# Altium PCB FPGA_SHIELD_MARK1.PcbDoc (continued)
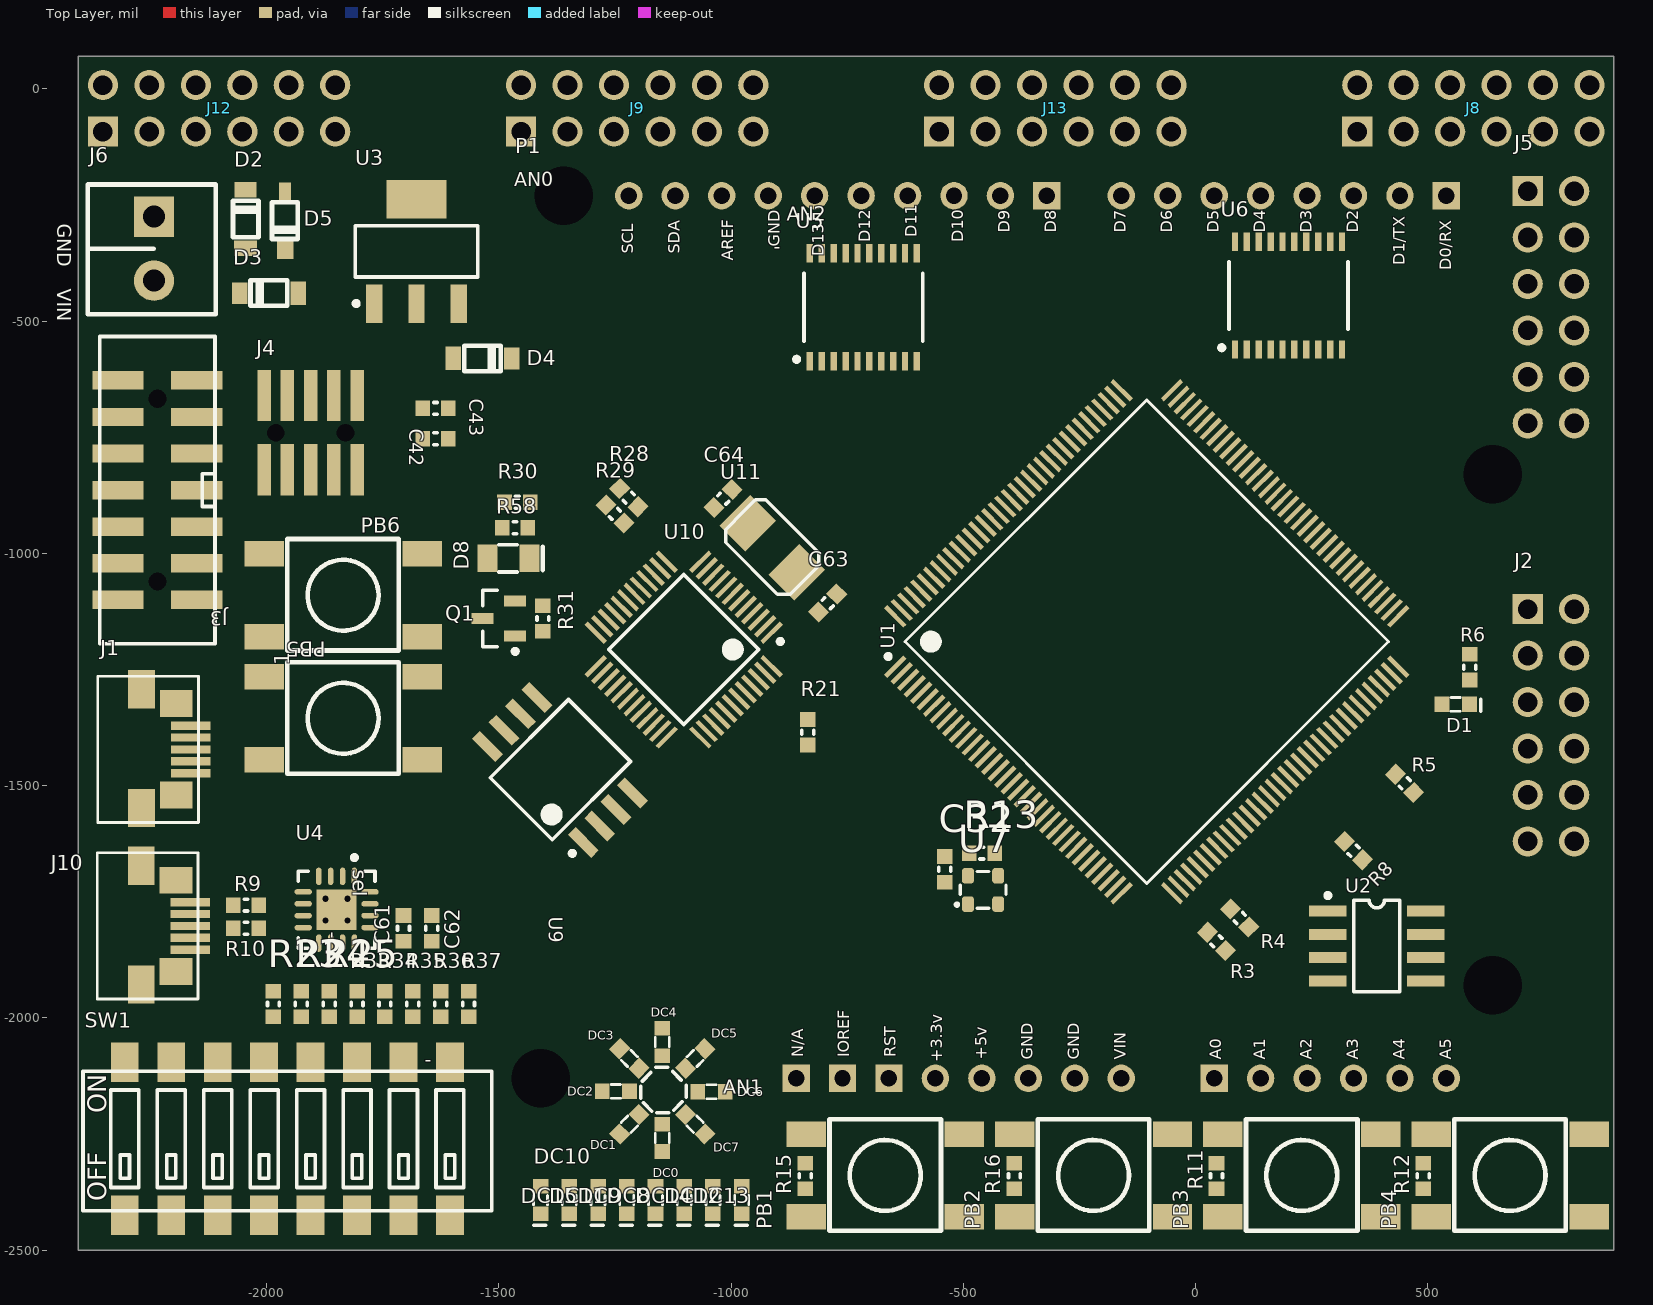
[diagram p0: Top Layer view]
## Footprints (in the part's own frame and the unit in brackets; to place one, negate y for a bottom-side part, rotate by r counter-clockwise, add the part's x,y. Pads: shape width x height; smd on the part's side, far side on the other; paste and mask are expansions set on the pad) (continued)
  silkscreen extent -10.7,-9.35 9.35,9.55, body extent -11.01,-11.01 11.02,11.02, height 1.6
TSQFP50P900X900X145-48L [mm] "TSQFP, 48-Leads, Body 9.1x9.1mm (max), Pitch 0.50mm, IPC High Density"
  rect 1.5x0.25 smd: 1(-4.05,2.75) 2(-4.05,2.25) 3(-4.05,1.75) 4(-4.05,1.25) 5(-4.05,0.75) 6(-4.05,0.25) 7(-4.05,-0.25) 8(-4.05,-0.75) 9(-4.05,-1.25) 10(-4.05,-1.75) 11(-4.05,-2.25) 12(-4.05,-2.75) 25(4.05,-2.75) 26(4.05,-2.25) 27(4.05,-1.75) 28(4.05,-1.25) 29(4.05,-0.75) 30(4.05,-0.25) 31(4.05,0.25) 32(4.05,0.75) 33(4.05,1.25) 34(4.05,1.75) 35(4.05,2.25) 36(4.05,2.75)
  rect 0.25x1.5 smd: 13(-2.75,-4.05) 14(-2.25,-4.05) 15(-1.75,-4.05) 16(-1.25,-4.05) 17(-0.75,-4.05) 18(-0.25,-4.05) 19(0.25,-4.05) 20(0.75,-4.05) 21(1.25,-4.05) 22(1.75,-4.05) 23(2.25,-4.05) 24(2.75,-4.05) 37(2.75,4.05) 38(2.25,4.05) 39(1.75,4.05) 40(1.25,4.05) 41(0.75,4.05) 42(0.25,4.05) 43(-0.25,4.05) 44(-0.75,4.05) 45(-1.25,4.05) 46(-1.75,4.05) 47(-2.25,4.05) 48(-2.75,4.05)
  silkscreen extent -4.17,-2.9 2.9,3.55, body extent -4.5,-4.5 4.5,4.5, height 1.4
TSSOP20 [mm] "TSSOP20"
  rect 1x0.35 smd: 1(-2.95,2.925) 2(-2.95,2.275) 3(-2.95,1.625) 4(-2.95,0.975) 5(-2.95,0.325) 6(-2.95,-0.325) 7(-2.95,-0.975) 8(-2.95,-1.625) 9(-2.95,-2.275) 10(-2.95,-2.925) 11(2.95,-2.925) 12(2.95,-2.275) 13(2.95,-1.625) 14(2.95,-0.975) 15(2.95,-0.325) 16(2.95,0.325) 17(2.95,0.975) 18(2.95,1.625) 19(2.95,2.275) 20(2.95,2.925)
  silkscreen extent -2.97,-3.25 1.85,3.77, body extent -3.14,-3.35 3.14,3.25, height 1.04

## Part data
C1 C2 C3 C4 C5 C6 C7 C8 C9 C10 C15 C16 C17 C18 C36 C42: library part GRM188R60J475KE19D, "CAP CER 4.7UF 6.3V X5R 0603"
C11 C12 C13 C14 C19 C20 C21 C22 C23 C24 C25 C26: library part GCM188R71E474KA64D, "CAP CER .47UF 25V X7R 0603"
C27 C28 C29 C30 C31 C32 C39 C43 C44 C61 C62: library part GRM188R71H104KA93D, "CAP CER .1UF 50V 10% X7R 0603"
C63 C64: library part GRM1885C1H180JA01D, "CAP CER 18PF 50V 5% C0G 0603"
D1: "LED 1.6X0.8MM 570NM GRN CLR SMD"
D2 D3 D4 D5: "DIODE SCHOTTKY 25V 1A SOD123"
D8: library part APL3015SGC-F01
DC0 DC1 DC2 DC3 DC4 DC5 DC6 DC7 DC8 DC9 DC10 DC11 DC12 DC13 DC14 DC15: library part APT1608CGCK
J1 J10: "CONN RCPT 5POS MICRO USB R/A"
J2 J5 J8 J9 J12 J13: library part P-MOD, "SAMTEC - SSQ-106-02-G-D-RA-005 - 2MM SOCKET STRIPS"
J3: library part XILINX_JTAG, "CONN HEADER 14POS 2MM VERT SMD"
J4: library part "Cortex SWD  Connector", "Cortex SWD Connector"
J6: "TERM BLOCK 2POS SIDE ENT 3.5MM"
P1: library part "Arduino Shield", "Arduino Duem Header"
PB1 PB2 PB3 PB4 PB5 PB6: library part FSM4JSMATR, "SWITCH TACTILE SPST-NO 0.05A 12V"
Q1: "MOSFET P-CH 30V 900MA SSOT3"
R1 R2 R3 R4 R5 R7 R8 R11 R12 R15 R16 R21 R23 R24 R25 R26 R27 R31 R33 R34 R35 R36 R37: library part ERJ-3EKF1002V, "RES 10.0K OHM 1/10W 1% 0603 SMD"
R6 R17 R18 R32 R43 R44 R45 R46 R47 R48 R49 R50 R51 R52 R53 R54 R57 R58: library part ERJ-3EKF2000V, "RES 200 OHM 1/10W 1% 0603 SMD"
R9 R10 R28 R29: library part ERJ-3EKF33R0V, "RES 33.0 OHM 1/10W 1% 0603 SMD"
R13: library part ERJ-3GEY0R00V, "RES ZERO OHM 1/10W 5% 0603 SMD"
R30: library part ERJ-3EKF1501V, "RES 1.50K OHM 1/10W 1% 0603 SMD"
SW1: "SWITCH DIP SPST EXT ACT 8POS SMD"
U1: "IC FPAG SPARTAN 6 9K 144TQFP"
U2: "IC FLASH 4MBIT 75MHZ 8SOIC"
U3: library part LD1117S33CTR, "IC REG LDO 3.3V 950MA SOT-223"
U4: library part FT230XQ-R, "IC USB SERIAL BASIC UART QFN-16"
U5 U6: "IC 8-BIT TRNSTR 15KV ESD 20TSSOP"
U7: library part "OSC - ASDMB-50.000MHZ-LC-T", "OSC MEMS 50.000 MHZ SMD"
U8: "IC LDO REG 1A 1.2V SOT223-3"
U9: library part M25PE16-VMW6TG, "IC FLASH 16MBIT 75MHZ 8SOIC"
U10: "IC MCU 32BIT 32KB FLASH 48LQFP"
U11: library part ABM3-12.000MHZ-B2-T, "CRYSTAL 12.000MHZ 18PF SMD"

## Via types
v1: diameter 25.98, hole 12.99, Top Layer to Bottom Layer, tented top, 4 vias

## Nets (pads, with @x,y where several pads share a name; then routed paths per layer and width w, separated by ;. In a path a pad name is that pad's centre, name@x,y a point inside that pad or via, vN(x,y) a via of type N, cw(c..) or ccw(c..) an arc to the next point about the centre after c; other vN are vias at no path point)
1V2: C1.2 C2.2 C3.2 C11.2 C12.2 C36.2 U1.19 U1.28 U1.52 U1.89 U1.128 U8.3
3V3: C4.2 C5.2 C6.2 C7.2 C8.2 C9.2 C10.2 C13.2 C14.2 C15.2 C16.2 C17.2 C18.2 C19.2 C20.2 C21.2 C22.2 C23.2 C24.2 C25.2 C26.2 C27.1 C28.2 C32.2 C42.2 C44.2 J2.6 J2.12 J3.2 J5.6 J5.12 P1.A2 P1.D8 PB6.A R1.2 R3.2 R4.2 R5.2 R11.2 R12.2 R13.2 R15.2 R16.2 SW1.B1 SW1.B2 SW1.B3 SW1.B4 SW1.B5 SW1.B6 SW1.B7 SW1.B8 U1.4 U1.18 U1.20 U1.31 U1.36 U1.42 U1.53 U1.63 U1.76 U1.86 U1.90 U1.103 U1.122 U1.125 U1.129 U1.135 U2.3 U2.7 U2.8 U3.2 U3.4 U5.2 U5.10 U6.2 U6.10 U7.4 U8.1
5V: P1.A3
+3.3V: C30.2 C31.2 C39.2 J4.1 Q1.2 R21.1 R31.2 U9.3 U9.7 U9.8 U10.8 U10.44
+5V_USB: D3.2 J1.1 R27.2 U10.14
+5V_USB_FTDI: C62.2 D5.2 J10.1 U4.10
ADD/D\A\T\A\: U1.40 U10.25
C0: R17.2
C1: R18.2
C2: R32.2
C3: R43.2
C4: R44.2
C5: R45.2
C6: R46.2
C7: R57.2
DIP_SW0: R23.2 SW1.A1 U1.119
DIP_SW1: R24.2 SW1.A2 U1.118
DIP_SW2: R25.2 SW1.A3 U1.117
DIP_SW3: R33.2 SW1.A4 U1.116
DIP_SW4: R34.2 SW1.A5 U1.115
DIP_SW5: R35.2 SW1.A6 U1.114
DIP_SW6: R36.2 SW1.A7 U1.112
DIP_SW7: R37.2 SW1.A8 U1.111
FPGA_CLK: PB6.B R26.2 U1.56 U10.4
FPGA_MODE0: R5.1 U1.69
FPGA_MODE1: R8.2 U1.60
FPGA_SLAVE_CFG_CCLK: R2.1 R7.2 U1.70 U2.6
FPGA_SLAVE_CFG_DIN: U1.65 U2.2
FPGA_SUSPEND: U1.73
FPGA_URX: U4.2
FPGA_UTX: U4.15
GND: C1.1 C2.1 C3.1 C4.1 C5.1 C6.1 C7.1 C8.1 C9.1 C10.1 C11.1 C12.1 C13.1 C14.1 C15.1 C16.1 C17.1 C18.1 C19.1 C20.1 C21.1 C22.1 C23.1 C24.1 C25.1 C26.1 C27.2 C29.1 C30.1 C31.1 C32.1 C36.1 C39.1 C42.1 C43.1 C44.1 C61.1 C62.1 C63.1 C64.1 DC0.C DC1.C DC2.C DC3.C DC4.C DC5.C DC6.C DC7.C DC8.C DC9.C DC10.C DC11.C DC12.C DC13.C DC14.C DC15.C J1.5 J2.5 J2.11 J3.1 J3.3 J3.5 J3.7 J3.9 J3.11 J3.13 J4.3 J4.5 J4.9 J5.5 J5.11 J6.1 J10.5 P1.A4 P1.A5 P1.D7 PB1.A PB2.A PB3.A PB4.A PB5.A R6.2 R8.1 R23.1 R24.1 R25.1 R26.1 R27.1 R33.1 R34.1 R35.1 R36.1 R37.1 R58.1 U1.3 U1.13 U1.25 U1.49 U1.54 U1.68 U1.77 U1.91 U1.96 U1.108 U1.113 U1.130 U1.136 U2.4 U3.1 U4.3 U4.13 U4.17 U5.11 U6.11 U7.2 U8.2 U8.4 U9.4 U10.5 U10.41
  other v1: -1872.62,-1790.62 -1825.38,-1790.62 -1872.62,-1743.38 -1825.38,-1743.38
IOREF: P1.A0 U5.19 U6.19
LRCLK: U1.61
MCLK: U1.59
MCU_A0: U10.32
MCU_A1: U10.33
MCU_A2: U10.34
MCU_A3: U10.35
MCU_A4: U10.40
MCU_A5: U10.30
NetC28_1: C28.1 R2.2
NetC29_2: C29.2 R7.1
NetC43_2: C43.2 D2.1 D3.1 D4.1 D5.1 U3.3
NetC61_2: C61.2 U4.1 U4.8 U4.9
NetC63_2: C63.2 U10.6 U11.2
NetC64_2: C64.2 U10.7 U11.1
NetD1_C: D1.C R6.1
NetD4_2: D4.2 J6.2
NetD8_A: D8.A Q1.3 R30.1
NetD8_C: D8.C R58.2
NetDC0_A: DC0.A R17.1
NetDC1_A: DC1.A R18.1
NetDC2_A: DC2.A R32.1
NetDC3_A: DC3.A R43.1
NetDC4_A: DC4.A R44.1
NetDC5_A: DC5.A R45.1
NetDC6_A: DC6.A R46.1
NetDC7_A: DC7.A R57.1
NetDC8_A: DC8.A R47.1
NetDC9_A: DC9.A R48.1
NetDC10_A: DC10.A R49.1
NetDC11_A: DC11.A R50.1
NetDC12_A: DC12.A R51.1
NetDC13_A: DC13.A R52.1
NetDC14_A: DC14.A R53.1
NetDC15_A: DC15.A R54.1
NetJ1_2: J1.2 R28.1
NetJ1_3: J1.3 R29.1 R30.2
NetJ3_4: J3.4 U1.107
NetJ3_6: J3.6 U1.109
NetJ3_8: J3.8 U1.106
NetJ3_10: J3.10 U1.110
NetJ4_2: J4.2 U10.39
NetJ4_4: J4.4 U10.29
NetJ4_10: J4.10 PB5.B R21.2 U10.3
NetJ10_2: J10.2 R9.1
NetJ10_3: J10.3 R10.1
NetP1_C1: P1.C1 U6.12
NetP1_C2: P1.C2 U6.13
NetP1_C3: P1.C3 U6.14
NetP1_C4: P1.C4 U6.15
NetP1_C5: P1.C5 U6.16
NetP1_C6: P1.C6 U6.17
NetP1_C7: P1.C7 U6.18
NetP1_C8: P1.C8 U6.20
NetP1_D1: P1.D1 U5.12
NetP1_D2: P1.D2 U5.13
NetP1_D3: P1.D3 U5.14
NetP1_D4: P1.D4 U5.15
NetP1_D5: P1.D5 U5.16
NetP1_D6: P1.D6 U5.17
NetP1_D9: P1.D9 U5.18
NetP1_D10: P1.D10 U5.20
NetQ1_1: Q1.1 R31.1 U10.22
NetR1_1: R1.1 U1.38 U2.1
NetR9_2: R9.2 U4.7
NetR10_2: R10.2 U4.6
NetR13_1: R13.1 U7.1
NetR28_2: R28.2 U10.19
NetR29_2: R29.2 U10.20
NetU1_24: U1.24 U7.3
NetU1_64: U1.64 U2.5
NetU9_1: U9.1 U10.10
NetU9_2: U9.2 U10.27
NetU9_6: U9.6 U10.31
PARD: U1.43 U10.12
PAWR: U1.41 U10.24
PB0: PB4.B R12.1
PB1: PB3.B R11.1
PB2: PB2.B R16.1
PB3: PB1.B R15.1
PD0: U1.55 U10.2
PD1: U1.51 U10.13
PD2: U1.50 U10.26
PD3: U1.48 U10.38
PD4: U1.47 U10.18
PD5: U1.46 U10.21
PD6: U1.45 U10.1
PD7: U1.44 U10.11
PMOD1_1: J5.1
PMOD1_2: J5.2
PMOD1_3: J5.3
PMOD1_4: J5.4
PMOD1_7: J5.7
PMOD1_8: J5.8
PMOD1_9: J5.9
PMOD1_10: J5.10 U1.137
PMOD2_1: J2.1 U1.134
PMOD2_2: J2.2 U1.133
PMOD2_3: J2.3
PMOD2_4: J2.4 U1.131
PMOD2_7: J2.7 U1.127
PMOD2_8: J2.8 U1.126
PMOD2_9: J2.9 U1.124
PMOD2_10: J2.10 U1.123
SCLK: U1.62
SDIN: U1.66
SDOUT: U1.67
SHIELD_D0: U1.105 U6.9
SHIELD_D1: U1.104 U6.8
SHIELD_D2: U1.102 U6.7
SHIELD_D3: U1.101 U6.6
SHIELD_D4: U1.100 U6.5
SHIELD_D5: U1.99 U6.4
SHIELD_D6: U1.98 U6.3
SHIELD_D7: U1.97 U6.1
SHIELD_D8: U1.95 U5.9
SHIELD_D9: U1.94 U5.8
SHIELD_D10: U1.93 U5.7
SHIELD_D11: U1.92 U5.6
SHIELD_D12: U1.88 U5.5
SHIELD_D13: U1.87 U5.4
SHIELD_RST: P1.A1
SHIELD_SCL: U1.84 U5.1
SHIELD_SDA: U1.85 U5.3
SHIELD_VIN: D2.2 P1.A6
SLAVE_CFG_DONE: D1.A U1.71
SLAVE_CFG_INIT_B: R4.1 U1.39
SLAVE_CFG_PROG_B: R3.1 U1.37
SWO: J4.6 U9.5 U10.28
pads on no net: J1.4 J1.M1 J3.12 J3.14 J3.M1 J3.M2 J4.7 J4.8 J4.M J8.1 J8.2 J8.3 J8.4 J8.5 J8.6 J8.7 J8.8 J8.9 J8.10 J8.11 J8.12 J9.1 J9.2 J9.3 J9.4 J9.5 J9.6 J9.7 J9.8 J9.9 J9.10 J9.11 J9.12 J10.4 J10.M1 J12.1 J12.2 J12.3 J12.4 J12.5 J12.6 J12.7 J12.8 J12.9 J12.10 J12.11 J12.12 J13.1 J13.2 J13.3 J13.4 J13.5 J13.6 J13.7 J13.8 J13.9 J13.10 J13.11 J13.12 P1.A-1 P1.B1 P1.B2 P1.B3 P1.B4 P1.B5 P1.B6 P1.M R47.2 R48.2 R49.2 R50.2 R51.2 R52.2 R53.2 R54.2 U1.1 U1.2 U1.5 U1.6 U1.7 U1.8 U1.9 U1.10 U1.11 U1.12 U1.14 U1.15 U1.16 U1.17 U1.21 U1.22 U1.23 U1.26 U1.27 U1.29 U1.30 U1.32 U1.33 U1.34 U1.35 U1.57 U1.58 U1.72 U1.74 U1.75 U1.78 U1.79 U1.80 U1.81 U1.82 U1.83 U1.120 U1.121 U1.132 U1.138 U1.139 U1.140 U1.141 U1.142 U1.143 U1.144 U4.4 U4.5 U4.11 U4.12 U4.14 U4.16 U10.9 U10.15 U10.16 U10.17 U10.23 U10.36 U10.37 U10.42 U10.43 U10.45 U10.46 U10.47 U10.48

## Silkscreen, mask and mechanical layers (free items; w line width, h text height)
Top Overlay:
  text "AN0" at -1466.61,-210 h30
  text "AN2" at -879.61,-284 h30
  text "GND" at -2450,-290 h30 r270
  text "-" at -1012.61,-354 h30
  text "-" at -907.61,-354 h30
  text "VIN" at -2450,-430 h30 r270
  text "sel" at -1814,-1681.39 h30 r270
  text "sel" at -1814,-1681.39 h30 r270
  text "-" at -1870,-1814.39 h30 r270
  text "-" at -1659.61,-2104 h30
  text "AN1" at -1016.61,-2163 h30
Bottom Overlay:
  text "FPGA MCU CTL RA.2" at 1262.39,-3193 h30
Mechanical 1:
  lines w10: -3084.32,-2531.41 -3064.55,-2591.48 ; -3074.78,-36.41 -3054.55,23.52 ; -3074.55,-2591.45 -3054.55,-2591.52 ; -3064.55,23.55 -3044.55,23.48 ; -3061.03,-1669.86 -3064.55,-2591.48 ; -3058.08,-898.11 -3054.55,23.52 ; -3044.32,-2531.56 -3064.55,-2591.48 ; -3034.78,-36.56 -3054.55,23.52 ; -2376.59,-2729.01 -2376.59,-2709.01 ; -2316.59,-2739.01 -2376.59,-2719.01 ; -2316.59,-2699.01 -2376.59,-2719.01 ; -1015,-2719.01 -2376.59,-2719.01 ; -453.17,-2719.01 908.41,-2719.01 ; 848.41,-2739.01 908.41,-2719.01 ; 848.41,-2699.01 908.41,-2719.01 ; 908.41,-2729.01 908.41,-2709.01
  text "2615.019 (mil)" at -3025,-1660 h60 r89.78
  text "3285 (mil)" at -1005,-2755 h60
Mechanical 2:
  text "Placement Notes:" at -2603,1523 h60
  text "Top Edge:  Tried to keep FPGA interactive buttons/SW/LED along top edge for easy access" at -2610,1419.42 h60
  text "Left Edge:  Tried to keep COM/PWR ports" at -2610,1307.85 h60
  text "Bottome Edge:  Hard programming connectors" at -2610,1196.28 h60
  text "Right Edge:  Only the PMODs" at -2610,1084.71 h60
  text "Top Side:  User interative side,  All high profile and user interaction componenets" at -2610,973.14 h60
  text "- Trying to keep as many components on top side for assembly purposes?" at -1984,862 h60
  text "Bottom Side:  Minimal components.  Just getting stuff out of the way" at -2610,750 h60
Generic Top Title Block:
  lines w0: 4754.83,-4519.5 2361.83,-4519.5 2361.83,-3929.69 4754.83,-3929.69
  lines w8: 3059.78,-4519.5 3059.78,-3929.69 ; 3059.78,-4322.9 4754.83,-4322.9 ; 3059.78,-4126.29 4754.83,-4126.29 ; 3608.18,-4322.9 3608.18,-4126.29 ; 4754.83,-4519.5 2361.83,-4519.5 2361.83,-3929.69 4754.83,-3929.69
  lines w10: -5145,-3620 -5045,-3620 ; -5145,-2620 -5045,-2620 -5045,-1620 -5145,-1620 ; -5145,-620 -5045,-620 ; -5145,380 -5045,380 ; -5145,1380 -5045,1380 ; -5145,2380 -5045,2380 ; -4145,-4620 -4145,-4520 ; -4145,2780 -4145,2880 ; -3145,-4620 -3145,-4520 ; -3145,2780 -3145,2880 ; -2145,-4620 -2145,-4520 ; -2145,2780 -2145,2880 ; -1145,-4620 -1145,-4520 ; -1145,2780 -1145,2880 ; -145,-4620 -145,-4520 ; -145,2780 -145,2880 ; 855,-4620 855,-4520 ; 855,2780 855,2880 ; 1855,-4620 1855,-4520 ; 1855,2780 1855,2880 ; 2855,-4620 2855,-4520 ; 2855,2780 2855,2880 ; 3855,-4620 3855,-4520 ; 3855,2780 3855,2880 ; 4754.83,-4519.5 4754.83,-3929.69 ; 4755,-3620 4855,-3620 ; 4755,-2620 4855,-2620 4855,-1620 4755,-1620 ; 4755,-620 4855,-620 ; 4755,380 4855,380 ; 4755,1380 4855,1380 ; 4755,2380 4855,2380 ; 4855,-4520 4855,-4620 ; 4855,-4620 -5145,-4620 -5145,2880 4855,2880 4855,-4620 ; -5045,-4520 4755,-4520 4755,2780 -5045,2780 -5045,-4520
  text "1" at -4680,2800 h100
  text "2" at -3605,2800 h100
  text "3" at -2655,2800 h100
  text "4" at -1605,2800 h100
  text "5" at -655,2800 h100
  text "6" at 370,2800 h100
  text "7" at 1320,2800 h100
  text "8" at 2295,2800 h100
  text "9" at 3395,2800 h100
  text "10" at 4345,2800 h100
  text "H" at -5130,2545 h100
  text "H" at 4775,2540 h100
  text "G" at -5130,1820 h100
  text "G" at 4775,1815 h100
  text "F" at -5120,835 h100
  text "F" at 4785,830 h100
  text "E" at -5130,-130 h100
  text "E" at 4775,-135 h100
  text "D" at -5130,-1130 h100
  text "D" at 4775,-1135 h100
  text "C" at -5120,-2100 h100
  text "C" at 4785,-2105 h100
  text "B" at -5125,-3145 h100
  text "B" at 4780,-3150 h100
  text ".PCB_TITLE" at 3109,-4067 h175
  text "" at 2860.37,-4081.77 h152.56
  text "" at 2942.48,-4081.77 h152.56
  text "A" at -5120,-4145 h100
  text "A" at 4785,-4150 h100
  text "R" at 3109.64,-4275.4 h95.35
  text "e" at 3164.38,-4275.4 h95.35
  text "v" at 3219.13,-4275.4 h95.35
  text ":" at 3273.87,-4275.4 h95.35
  text "2" at 2411.68,-4282.46 h343.27
  text ".PCB_VERSION" at 3337,-4283 h175
  text ".ENGINEER" at 3665,-4284 h175
  text "" at 2611.1,-4294.56 h343.27
  text "" at 2761.65,-4294.56 h343.27
  text "W" at 2411.68,-4373.7 h95.35
  text "a" at 2493.8,-4373.7 h95.35
  text "v" at 2548.54,-4373.7 h95.35
  text "e" at 2603.29,-4373.7 h95.35
  text "n" at 2658.03,-4373.7 h95.35
  text "u" at 2712.78,-4373.7 h95.35
  text "m" at 2767.52,-4373.7 h95.35
  text "b" at 2849.64,-4373.7 h95.35
  text "e" at 2904.38,-4373.7 h95.35
  text "r" at 2959.13,-4373.7 h95.35
  text ".GERBER_GEN_DATE" at 3094,-4468 h175
  text "T" at 2411.68,-4472 h95.35
  text "e" at 2466.42,-4472 h95.35
  text "c" at 2521.17,-4472 h95.35
  text "h" at 2562.23,-4472 h95.35
  text "n" at 2616.97,-4472 h95.35
  text "o" at 2671.72,-4472 h95.35
  text "l" at 2726.46,-4472 h95.35
  text "o" at 2753.84,-4472 h95.35
  text "g" at 2808.58,-4472 h95.35
  text "i" at 2863.33,-4472 h95.35
  text "e" at 2890.7,-4472 h95.35
  text "s" at 2945.44,-4472 h95.35
  text "1" at -4670,-4595 h100
  text "2" at -3595,-4595 h100
  text "3" at -2645,-4595 h100
  text "4" at -1595,-4595 h100
  text "5" at -645,-4595 h100
  text "6" at 380,-4595 h100
  text "7" at 1330,-4595 h100
  text "8" at 2305,-4595 h100
  text "9" at 3405,-4595 h100
  text "10" at 4355,-4595 h100
PCB Notes Title Block:
  lines w0: 4754.83,-4519.5 2361.83,-4519.5 2361.83,-3929.69 4754.83,-3929.69
  lines w8: 3059.78,-4519.5 3059.78,-3929.69 ; 3059.78,-4322.9 4754.83,-4322.9 ; 3059.78,-4126.29 4754.83,-4126.29 ; 3608.18,-4322.9 3608.18,-4126.29 ; 4754.83,-4519.5 2361.83,-4519.5 2361.83,-3929.69 4754.83,-3929.69
  lines w10: -5145,-3620 -5045,-3620 ; -5145,-2620 -5045,-2620 -5045,-1620 -5145,-1620 ; -5145,-620 -5045,-620 ; -5145,380 -5045,380 ; -5145,1380 -5045,1380 ; -5145,2380 -5045,2380 ; -4145,-4620 -4145,-4520 ; -4145,2780 -4145,2880 ; -3145,-4620 -3145,-4520 ; -3145,2780 -3145,2880 ; -2145,-4620 -2145,-4520 ; -2145,2780 -2145,2880 ; -1145,-4620 -1145,-4520 ; -1145,2780 -1145,2880 ; -145,-4620 -145,-4520 ; -145,2780 -145,2880 ; 855,-4620 855,-4520 ; 855,2780 855,2880 ; 1855,-4620 1855,-4520 ; 1855,2780 1855,2880 ; 2855,-4620 2855,-4520 ; 2855,2780 2855,2880 ; 3855,-4620 3855,-4520 ; 3855,2780 3855,2880 ; 4754.83,-4519.5 4754.83,-3929.69 ; 4755,-3620 4855,-3620 ; 4755,-2620 4855,-2620 4855,-1620 4755,-1620 ; 4755,-620 4855,-620 ; 4755,380 4855,380 ; 4755,1380 4855,1380 ; 4755,2380 4855,2380 ; 4855,-4520 4855,-4620 ; 4855,-4620 -5145,-4620 -5145,2880 4855,2880 4855,-4620 ; -5045,-4520 4755,-4520 4755,2780 -5045,2780 -5045,-4520
  text "1" at -4680,2800 h100
  text "2" at -3605,2800 h100
  text "3" at -2655,2800 h100
  text "4" at -1605,2800 h100
  text "5" at -655,2800 h100
  text "6" at 370,2800 h100
  text "7" at 1320,2800 h100
  text "8" at 2295,2800 h100
  text "9" at 3395,2800 h100
  text "10" at 4345,2800 h100
  text "H" at -5130,2545 h100
  text "H" at 4775,2540 h100
  text "G" at -5130,1820 h100
  text "G" at 4775,1815 h100
  text "F" at -5120,835 h100
  text "F" at 4785,830 h100
  text "E" at -5130,-130 h100
  text "E" at 4775,-135 h100
  text "D" at -5130,-1130 h100
  text "D" at 4775,-1135 h100
  text "C" at -5120,-2100 h100
  text "C" at 4785,-2105 h100
  text "B" at -5125,-3145 h100
  text "B" at 4780,-3150 h100
  text ".PCB_TITLE" at 3109,-4067 h175
  text "" at 2860.37,-4081.77 h152.56
  text "" at 2942.48,-4081.77 h152.56
  text "A" at -5120,-4145 h100
  text "A" at 4785,-4150 h100
  text "R" at 3109.64,-4275.4 h95.35
  text "e" at 3164.38,-4275.4 h95.35
  text "v" at 3219.13,-4275.4 h95.35
  text ":" at 3273.87,-4275.4 h95.35
  text "2" at 2411.68,-4282.46 h343.27
  text ".PCB_VERSION" at 3337,-4283 h175
  text ".ENGINEER" at 3665,-4284 h175
  text "" at 2611.1,-4294.56 h343.27
  text "" at 2761.65,-4294.56 h343.27
  text "W" at 2411.68,-4373.7 h95.35
  text "a" at 2493.8,-4373.7 h95.35
  text "v" at 2548.54,-4373.7 h95.35
  text "e" at 2603.29,-4373.7 h95.35
  text "n" at 2658.03,-4373.7 h95.35
  text "u" at 2712.78,-4373.7 h95.35
  text "m" at 2767.52,-4373.7 h95.35
  text "b" at 2849.64,-4373.7 h95.35
  text "e" at 2904.38,-4373.7 h95.35
  text "r" at 2959.13,-4373.7 h95.35
  text ".GERBER_GEN_DATE" at 3094,-4468 h175
  text "T" at 2411.68,-4472 h95.35
  text "e" at 2466.42,-4472 h95.35
  text "c" at 2521.17,-4472 h95.35
  text "h" at 2562.23,-4472 h95.35
  text "n" at 2616.97,-4472 h95.35
  text "o" at 2671.72,-4472 h95.35
  text "l" at 2726.46,-4472 h95.35
  text "o" at 2753.84,-4472 h95.35
  text "g" at 2808.58,-4472 h95.35
  text "i" at 2863.33,-4472 h95.35
  text "e" at 2890.7,-4472 h95.35
  text "s" at 2945.44,-4472 h95.35
  text "1" at -4670,-4595 h100
  text "2" at -3595,-4595 h100
  text "3" at -2645,-4595 h100
  text "4" at -1595,-4595 h100
  text "5" at -645,-4595 h100
  text "6" at 380,-4595 h100
  text "7" at 1330,-4595 h100
  text "8" at 2305,-4595 h100
  text "9" at 3405,-4595 h100
  text "10" at 4355,-4595 h100
PCB Notes:
  lines w50: -4860,-1240 -660,-1240 ; -4810,1960 4140,1960 ; -610,-2390 -610,-1390
  text "PCB Fabrication Notes" at -4806,2105 h750
  text "Unless otherwise specified, all dimensions are in inches" at -4810,1710 h200
  text "Overall Dimension:   Z.Z\" x  Y.Y\"" at -4810,1510 h200
  text "Finished Thickness:  .062\"" at -4810,1310 h200
  text "Layer Count:" at -4810,1110 h200
  text "Drill Count:" at -4810,910 h200
  text ".Hole_Count" at -3710,910 h200
  text "PAD Count:" at -4810,710 h200
  text ".PAD_Count" at -3710,710 h200
  text "Solder Mask:  Green LPI SMOBC" at -4810,510 h200
  text "Silkscreen:  White Non-Conductive Ink LPI Process" at -4810,310 h200
  text "RS274-X Gerber Format, 2.5 Leading Zeros Suppressed" at -4810,110 h200
  text "Excellon Drill Format, 2.5 Trailing Zeros Suppressed" at -4810,-90 h200
  text "Layer Details" at -4860,-1090 h350
  text "POLARITY" at -1960,-1140 h350
  text ".GTL" at -4810,-1590 h200
  text "Top Copper" at -3860,-1590 h200
  text "POSITIVE" at -1860,-1590 h200
  text ".GBL" at -4810,-1790 h200
  text "Bottom Copper" at -3860,-1790 h200
  text "POSITIVE" at -1860,-1790 h200
  text "N-Layer Stackup" at -460,-1890 h200
  text ".GTO" at -4810,-3140 h200
  text "Top Silkscreen" at -3810,-3140 h200
  text ".GBO" at -4810,-3340 h200
  text "Bottom Silkscreen" at -3810,-3340 h200
  text ".GTS" at -4810,-3690 h200
  text "Top Soldermask" at -3810,-3690 h200
  text ".GBS" at -4810,-3890 h200
  text "Bottom Soldermask" at -3810,-3890 h200
  text ".TXT" at -4810,-4090 h200
  text "NC-DRILL" at -3810,-4090 h200
Fabrication Reference  Title Block:
  lines w0: 4754.83,-4519.5 2361.83,-4519.5 2361.83,-3929.69 4754.83,-3929.69
  lines w8: 3059.78,-4519.5 3059.78,-3929.69 ; 3059.78,-4322.9 4754.83,-4322.9 ; 3059.78,-4126.29 4754.83,-4126.29 ; 3608.18,-4322.9 3608.18,-4126.29 ; 4754.83,-4519.5 2361.83,-4519.5 2361.83,-3929.69 4754.83,-3929.69
  lines w10: -5145,-3620 -5045,-3620 ; -5145,-2620 -5045,-2620 -5045,-1620 -5145,-1620 ; -5145,-620 -5045,-620 ; -5145,380 -5045,380 ; -5145,1380 -5045,1380 ; -5145,2380 -5045,2380 ; -4145,-4620 -4145,-4520 ; -4145,2780 -4145,2880 ; -3145,-4620 -3145,-4520 ; -3145,2780 -3145,2880 ; -2145,-4620 -2145,-4520 ; -2145,2780 -2145,2880 ; -1145,-4620 -1145,-4520 ; -1145,2780 -1145,2880 ; -145,-4620 -145,-4520 ; -145,2780 -145,2880 ; 855,-4620 855,-4520 ; 855,2780 855,2880 ; 1855,-4620 1855,-4520 ; 1855,2780 1855,2880 ; 2855,-4620 2855,-4520 ; 2855,2780 2855,2880 ; 3855,-4620 3855,-4520 ; 3855,2780 3855,2880 ; 4754.83,-4519.5 4754.83,-3929.69 ; 4755,-3620 4855,-3620 ; 4755,-2620 4855,-2620 4855,-1620 4755,-1620 ; 4755,-620 4855,-620 ; 4755,380 4855,380 ; 4755,1380 4855,1380 ; 4755,2380 4855,2380 ; 4855,-4520 4855,-4620 ; 4855,-4620 -5145,-4620 -5145,2880 4855,2880 4855,-4620 ; -5045,-4520 4755,-4520 4755,2780 -5045,2780 -5045,-4520
  text "1" at -4680,2800 h100
  text "2" at -3605,2800 h100
  text "3" at -2655,2800 h100
  text "4" at -1605,2800 h100
  text "5" at -655,2800 h100
  text "6" at 370,2800 h100
  text "7" at 1320,2800 h100
  text "8" at 2295,2800 h100
  text "9" at 3395,2800 h100
  text "10" at 4345,2800 h100
  text "H" at -5130,2545 h100
  text "H" at 4775,2540 h100
  text "Fabrication Reference Drawing" at -3460,2360 h500
  text "G" at -5130,1820 h100
  text "G" at 4775,1815 h100
  text "F" at -5120,835 h100
  text "F" at 4785,830 h100
  text "E" at -5130,-130 h100
  text "E" at 4775,-135 h100
  text "D" at -5130,-1130 h100
  text "D" at 4775,-1135 h100
  text "C" at -5120,-2100 h100
  text "C" at 4785,-2105 h100
  text "B" at -5125,-3145 h100
  text "B" at 4780,-3150 h100
  text ".PCB_TITLE" at 3109,-4067 h175
  text "" at 2860.37,-4081.77 h152.56
  text "" at 2942.48,-4081.77 h152.56
  text "A" at -5120,-4145 h100
  text "A" at 4785,-4150 h100
  text "R" at 3109.64,-4275.4 h95.35
  text "e" at 3164.38,-4275.4 h95.35
  text "v" at 3219.13,-4275.4 h95.35
  text ":" at 3273.87,-4275.4 h95.35
  text "2" at 2411.68,-4282.46 h343.27
  text ".PCB_VERSION" at 3337,-4283 h175
  text ".ENGINEER" at 3665,-4284 h175
  text "" at 2611.1,-4294.56 h343.27
  text "" at 2761.65,-4294.56 h343.27
  text "W" at 2411.68,-4373.7 h95.35
  text "a" at 2493.8,-4373.7 h95.35
  text "v" at 2548.54,-4373.7 h95.35
  text "e" at 2603.29,-4373.7 h95.35
  text "n" at 2658.03,-4373.7 h95.35
  text "u" at 2712.78,-4373.7 h95.35
  text "m" at 2767.52,-4373.7 h95.35
  text "b" at 2849.64,-4373.7 h95.35
  text "e" at 2904.38,-4373.7 h95.35
  text "r" at 2959.13,-4373.7 h95.35
  text ".GERBER_GEN_DATE" at 3094,-4468 h175
  text "T" at 2411.68,-4472 h95.35
  text "e" at 2466.42,-4472 h95.35
  text "c" at 2521.17,-4472 h95.35
  text "h" at 2562.23,-4472 h95.35
  text "n" at 2616.97,-4472 h95.35
  text "o" at 2671.72,-4472 h95.35
  text "l" at 2726.46,-4472 h95.35
  text "o" at 2753.84,-4472 h95.35
  text "g" at 2808.58,-4472 h95.35
  text "i" at 2863.33,-4472 h95.35
  text "e" at 2890.7,-4472 h95.35
  text "s" at 2945.44,-4472 h95.35
  text "1" at -4670,-4595 h100
  text "2" at -3595,-4595 h100
  text "3" at -2645,-4595 h100
  text "4" at -1595,-4595 h100
  text "5" at -645,-4595 h100
  text "6" at 380,-4595 h100
  text "7" at 1330,-4595 h100
  text "8" at 2305,-4595 h100
  text "9" at 3405,-4595 h100
  text "10" at 4355,-4595 h100
Board Outline:
  the board outline again, w10

## Text inside footprints (layer, text, board x,y; h text height)
J3: Top Overlay "1" at -1950.83,-1241.18 h32 r90
P1: Top Overlay "RST" at -645,-2085 h25 r90; Top Overlay "+3.3v" at -545,-2095 h25 r90; Top Overlay "+5v" at -450,-2090 h25 r90; Top Overlay "GND" at -350,-2090 h25 r90; Top Overlay "GND" at -250,-2090 h25 r90; Top Overlay "VIN" at -150,-2090 h25 r90; Top Overlay "A0" at 55,-2090 h25 r90; Top Overlay "A1" at 150,-2090 h25 r90; Top Overlay "A2" at 250,-2090 h25 r90; Top Overlay "A3" at 350,-2090 h25 r90; Top Overlay "A4" at 450,-2090 h25 r90; Top Overlay "A5" at 550,-2090 h25 r90; Top Overlay "D0/RX" at 550,-390 h25 r90; Top Overlay "D1/TX" at 450,-380 h25 r90; Top Overlay "D2" at 350,-310 h25 r90; Top Overlay "D3" at 250,-310 h25 r90; Top Overlay "D4" at 150,-310 h25 r90; Top Overlay "D5" at 50,-310 h25 r90; Top Overlay "D6" at -50,-310 h25 r90; Top Overlay "D7" at -150,-310 h25 r90; Top Overlay "D8" at -300,-310 h25 r90; Top Overlay "D9" at -400,-310 h25 r90; Top Overlay "D10" at -500,-330 h25 r90; Top Overlay "D11" at -600,-320 h25 r90; Top Overlay "D12" at -700,-330 h25 r90; Top Overlay "D13" at -800,-360 h25 r90; Top Overlay "GND" at -895,-340 h25 r90; Top Overlay "AREF" at -995,-370 h25 r90; Top Overlay "SCL" at -1210,-355 h25 r90; Top Overlay "SDA" at -1110,-355 h25 r90; Top Overlay "IOREF" at -745,-2085 h25 r90; Top Overlay "N/A" at -845,-2085 h25 r90
SW1: Top Overlay "OFF" at -2345,-2395 h40 r90; Top Overlay "ON" at -2345,-2205 h40 r90